# Allegro board LAY-27392_C.brd (continued)
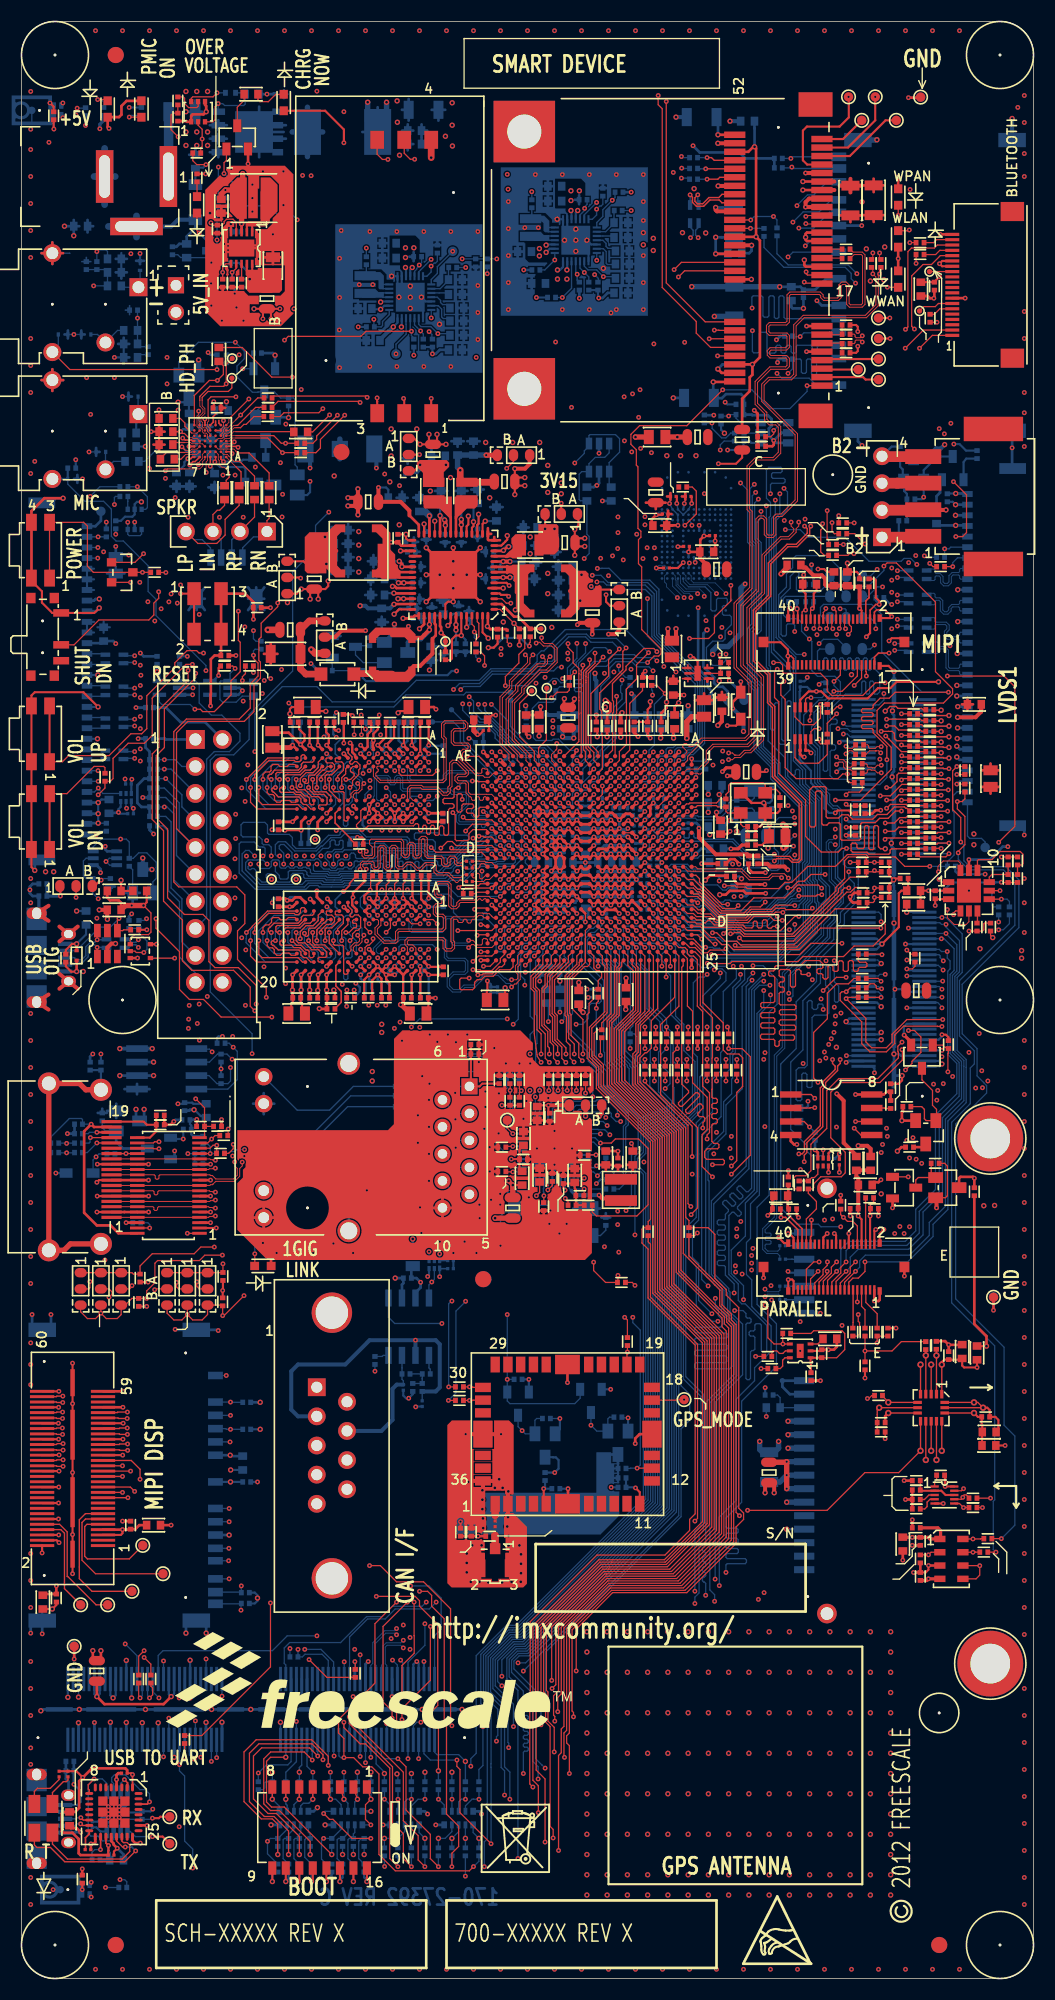
[diagram p0: board, top side]
## Placement (name value [footprint] x y rotation side) (continued)
R589  10.0K  [0402_CC]  32.77 125.78 270 bottom
R590  0  [R603-X2]  78.36 125.09 180 bottom
R591  10.0K  [0402_CC]  39.73 124.99 270 bottom
R592  10.0K  [0402_CC]  28.88 123.06 0 bottom
R593  4.7K  [0402_CC]  59.31 122.05 90 bottom
R594  0  [0402_CC]  57.28 122.05 90 bottom
R595  10.0K  [0402_CC]  14.89 124.03 270 bottom
R596  0  [0402_CC]  49.91 121.16 180 bottom
R597  0  [0402_CC]  46.02 120.65 90 bottom
R598  0  [R603-X2]  65.71 120.4 0 bottom
R599  240  [0402_CC]  30.3 118.57 90 bottom
R600  0  [0402_CC]  47.5 118.24 270 bottom
R601  100  [0402_CC]  12.07 116.66 0 bottom
R602  10.0K  [0402_CC]  43.09 116.28 180 bottom
R603  10.0K  [0402_CC]  12.45 114.68 0 bottom
R604  200  [0402_CC]  64.39 114.17 270 bottom
R605  6.04K  [0402_CC]  63.12 113.79 0 bottom
R606  10.0K  [0402_CC]  12.45 113.79 0 bottom
R607  10.0K  [0402_CC]  12.45 112.9 0 bottom
R608  10.0K  [0402_CC]  12.45 112.01 180 bottom
R609  10.0K  [0402_CC]  12.45 111.12 180 bottom
R610  10M  [0402_CC]  67.31 110.49 270 bottom
R611  10.0K  [0402_CC]  12.45 110.24 0 bottom
R612  10.0K  [0402_CC]  12.45 109.35 0 bottom
R613  10.0K  [0402_CC]  12.45 108.46 180 bottom
R614  10.0K  [0402_CC]  8 108.33 270 bottom
R615  10.0K  [0402_CC]  10.16 105.03 90 bottom
R616  10.0K  [0402_CC]  87.5 104.65 180 bottom
R617  10.0K  [0402_CC]  8.38 103.12 90 bottom
R618  4.7K  [0402_CC]  6.73 103.12 270 bottom
R619  191.0  [0603_CC]  67.72 102.62 0 bottom
R620  100  [0402_CC]  2.03 101.85 0 bottom
R621  0  [0402_CC]  92.96 100.46 90 bottom
R622  0  [0402_CC]  91.95 100.46 90 bottom
R623  68K  [0402_CC]  50.67 94.87 90 bottom
R624  68K  [0402_CC]  48.89 94.87 270 bottom
R625  0  [0402_CC]  53.97 92.71 90 bottom
R626  22  [0603_CC]  49.4 92.43 90 bottom
R627  0  [0402_CC]  57.28 88.52 90 bottom
R628  4.7K  [0402_CC]  18.8 88.01 180 bottom
R629  100K  [0402_CC]  18.8 86.61 90 bottom
R630  100  [0402_CC]  7.49 85.85 270 bottom
R631  10.0K  [0402_CC]  48.79 84.84 90 bottom
R632  10.0K  [0402_CC]  31.75 123.06 180 bottom
R634  0  [0402_CC]  53.09 84.58 270 bottom
R635  10.0K  [0402_CC]  31.26 106.74 180 bottom
R636  10.0K  [0402_CC]  51.43 84.58 270 bottom
R638  10.0K  [0402_CC]  50.55 84.58 270 bottom
R639  100K  [0402_CC]  18.8 84.58 270 bottom
R640  270  [0402_CC]  35.56 83.95 180 bottom
R641  270  [0402_CC]  35.56 83.06 180 bottom
R642  270  [0402_CC]  35.56 82.04 180 bottom
R643  200K  [0603_CC]  73.15 81.28 270 bottom
R644  10.0K  [0402_CC]  7.62 81.08 270 bottom
R645  4.7K  [0402_CC]  15.62 79.91 180 bottom
R646  10.0K  [0402_CC]  74.68 79.25 270 bottom
R647  47K  [0402_CC]  17.09 78.89 270 bottom
R648  0  [0402_CC]  5.38 78.61 0 bottom
R649  4.7K  [0402_CC]  3.15 78.61 180 bottom
R650  0  [0402_CC]  5.38 77.72 0 bottom
R651  4.7K  [0402_CC]  3.15 77.72 180 bottom
R652  0  [0402_CC]  18.75 77.65 180 bottom
R653  0  [0402_CC]  16.71 77.62 0 bottom
R654  4.7K  [0402_CC]  54.99 77.6 90 bottom
R655  27K  [0402_CC]  8.43 77.6 180 bottom
R656  0  [0402_CC]  16.71 76.66 0 bottom
R657  1.5K  [0402_CC]  55.37 75.18 0 bottom
R658  100  [0402_CC]  31.5 75.06 0 bottom
R659  0  [0402_CC]  55.37 74.3 180 bottom
R660  0.02  [0805_CC]  36.83 67.82 270 bottom
R661  0  [0402_CC]  33.27 58.17 90 bottom
R662  0  [0402_CC]  38.1 56.9 0 bottom
R663  30  [0402_CC]  36.2 56.9 180 bottom
R664  10.0K  [0402_CC]  46.74 56.39 0 bottom
R665  30  [0402_CC]  37.72 55.63 270 bottom
R666  10.0K  [0402_CC]  70.36 54.91 0 bottom
R667  10.0K  [0402_CC]  21.21 54.23 0 bottom
R668  10.0K  [0402_CC]  56.13 52.83 180 bottom
R669  10.0K  [0402_CC]  49.4 52.7 180 bottom
R670  10.0K  [0402_CC]  21.21 51.69 180 bottom
R671  10.0K  [0402_CC]  56.52 48.01 0 bottom
R672  0  [0402_CC]  49.28 47.24 270 bottom
R673  0  [0402_CC]  56.52 47.12 0 bottom
R674  10.0K  [0402_CC]  21.08 36.32 180 bottom
R675  10.0K  [0402_CC]  21.08 35.31 180 bottom
R676  0  [0402_CC]  25.65 30.28 180 bottom
R677  100  [0402_CC]  4.57 19.56 0 bottom
R678  4.7K  [0402_CC]  43.05 18.16 90 bottom
R679  4.7K  [0402_CC]  41.78 18.16 90 bottom
R680  4.7K  [0402_CC]  40.51 18.16 90 bottom
R681  4.7K  [0402_CC]  39.24 18.16 90 bottom
R682  4.7K  [0402_CC]  37.97 18.16 90 bottom
R683  4.7K  [0402_CC]  36.7 18.16 90 bottom
R684  4.7K  [0402_CC]  35.43 18.16 90 bottom
R685  4.7K  [0402_CC]  34.16 18.16 90 bottom
R686  4.7K  [0402_CC]  32.89 18.16 90 bottom
R687  4.7K  [0402_CC]  31.62 18.16 90 bottom
R688  4.7K  [0402_CC]  30.35 18.16 90 bottom
R689  4.7K  [0402_CC]  29.08 18.16 90 bottom
R690  4.7K  [0402_CC]  27.43 18.16 90 bottom
R691  4.7K  [0402_CC]  26.16 18.16 90 bottom
R692  4.7K  [0402_CC]  24.89 18.16 90 bottom
R693  4.7K  [0402_CC]  23.62 18.16 90 bottom
R694  10.0K  [0402_CC]  11.36 15.37 270 bottom
R695  4.7K  [0402_CC]  32.26 12.83 270 bottom
R696  4.7K  [0402_CC]  31.24 12.83 270 bottom
R697  4.7K  [0402_CC]  30.23 12.83 270 bottom
R698  4.7K  [0402_CC]  29.21 12.83 270 bottom
R699  4.7K  [0402_CC]  27.18 12.83 270 bottom
R700  4.7K  [0402_CC]  26.16 12.83 270 bottom
R701  4.7K  [0402_CC]  25.15 12.83 270 bottom
R702  4.7K  [0402_CC]  24.13 12.83 270 bottom
R703  4.7K  [0402_CC]  43.05 11.94 270 bottom
R704  4.7K  [0402_CC]  41.78 11.94 270 bottom
R705  4.7K  [0402_CC]  40.51 11.94 270 bottom
R706  4.7K  [0402_CC]  39.24 11.94 270 bottom
R707  4.7K  [0402_CC]  37.97 11.94 270 bottom
R708  4.7K  [0402_CC]  36.7 11.94 270 bottom
R709  4.7K  [0402_CC]  35.43 11.94 270 bottom
R710  4.7K  [0402_CC]  34.16 11.94 270 bottom
R711  4.7K  [0402_CC]  7.04 11.18 180 bottom
R712  0  [0402_CC]  32.26 10.41 90 bottom
R713  0  [0402_CC]  31.24 10.41 90 bottom
R714  0  [0402_CC]  30.23 10.41 90 bottom
R715  0  [0402_CC]  29.21 10.41 90 bottom
R716  0  [0402_CC]  27.3 10.41 90 bottom
R717  0  [0402_CC]  26.16 10.41 90 bottom
R718  0  [0402_CC]  25.15 10.41 90 bottom
R719  0  [0402_CC]  24.13 10.41 90 bottom
R722  0  [0402_CC]  22.3 18.16 90 bottom
R723  0  [0402_CC]  11.07 99.19 270 bottom
R724  0  [0402_CC]  10.13 99.19 90 bottom
R725  10.0K  [0402_CC]  22.23 152.93 0 bottom
R726  0  [0402_CC]  74.14 131.17 180 bottom
R727  0  [0402_CC]  66.73 103.7 0 bottom
R728  0  [0402_CC]  43.84 161.42 90 bottom
R729  10.0K  [0402_CC]  42.75 161.42 270 bottom
RN500  10K  [RCA_8_10]  41.15 15.11 270 bottom
RN501  10K  [RCA_8_10]  36.07 15.11 270 bottom
RN502  10K  [RCA_8_10]  30.73 15.11 270 bottom
RN503  10K  [RCA_8_10]  25.65 15.11 270 bottom
RT500  10K  [0603_CC]  56.55 159.97 0 bottom
RT501  10K  [0603_CC]  40.98 154.61 0 bottom
SH1  SOLDER SHORT  [SH0805_40]  23.11 158.06 270 top
SH2  SOLDER SHORT  [SH0805_40]  67.82 144.78 90 top
SH3  SOLDER SHORT  [SH0805_40]  63.63 145.03 180 top
SH4  0  [SH0603-X2_PIN1TO2]  36.45 144.15 270 top
SH5  SOLDER SHORT  [SH0805_40]  38.73 143.38 90 top
SH6  0  [SH0603-X2_PIN1TO2]  47.07 143.33 180 top
SH7  SOLDER SHORT  [SH0805_40]  45.47 140.84 180 top
SH8  SOLDER SHORT  [SH0805_40]  59.69 139.83 270 top
SH9  SOLDER SHORT  [SH0805_40]  32.64 138.94 0 top
SH10  0  [SH0603-X2_PIN1TO2]  51.56 137.8 180 top
SH11  SOLDER SHORT  [SH0805_40]  65.41 132.59 180 top
SH12  0  [SH0603-X2_PIN1TO2]  25.02 131.06 90 top
SH13  0  [SH0603-X2_PIN1TO2]  56.26 128.4 90 top
SH14  0  [SH0603-X2_PIN1TO2]  28.55 125.45 90 top
SH15  SOLDER SHORT  [SH0805_40]  25.3 126.9 0 top
SH16  SOLDER SHORT  [SH0805_40]  51.43 118.64 90 top
SH17  SOLDER SHORT  [SH0805_40]  68.2 113.54 180 top
SH18  0  [SH0201_CC]  42.16 105.13 180 top
SH19  0  [SH0201_CC]  42.16 104.5 180 top
SH20  0  [SH0201_CC]  42.16 103.86 180 top
SH21  0  [SH0201_CC]  42.16 103.23 180 top
SH22  SOLDER SHORT  [SH0805_40]  84.2 92.96 180 top
SH23  0  [SH0603-X2_PIN1TO2]  52.32 82.17 0 top
SH24  SOLDER SHORT  [SH0805_40]  46.23 72.52 90 top
SH25  SOLDER SHORT  [SH0805_40]  70.36 47.62 90 top
SH26  SOLDER SHORT  [SH0805_40]  7.11 28.96 270 top
SH500  0  [SH0402_CC]  6.05 175.64 270 bottom
SH501  0  [SH0402_CC]  75.69 121.54 270 bottom
SH502  0  [SH0402_CC]  12.07 119.58 0 bottom
SH503  SOLDER SHORT  [SH0805_40]  69.09 107.51 0 bottom
SH504  0  [SH0402_CC]  5.38 79.5 0 bottom
SH505  0  [SH0603_CC]  70.74 53.72 0 bottom
SH506  0  [SH0402_CC]  9.55 8.59 0 bottom
SW1  EVQPUA02K  [SW_SPST_PB_4P8X3P5_SM]  1.81 134.39 270 top
SW2  PB switch  [SW4_4MM]  17.53 128.4 0 top
SW3  SW SPDT  [SW_SPDT_RA]  2.01 126.24 270 top
SW4  EVQPUA02K  [SW_SPST_PB_4P8X3P5_SM]  1.81 117.11 270 top
SW5  EVQPUA02K  [SW_SPST_PB_4P8X3P5_SM]  1.81 108.86 270 top
SW6  SW DIP-8  [SW_DIP16_8POS_SM]  28.07 14.22 180 top
T1  -  [TPAD_015]  21.96 112.83 0 top
T2  -  [TPAD_015]  22.74 112.83 0 top
T3  -  [TPAD_015]  23.52 112.83 0 top
T4  -  [TPAD_015]  24.3 112.83 0 top
T5  -  [TPAD_015]  25.08 112.83 0 top
T6  -  [TPAD_015]  25.86 112.83 0 top
T7  -  [TPAD_015]  27.42 112.83 0 top
T8  -  [TPAD_015]  28.2 112.83 0 top
T9  -  [TPAD_015]  28.98 112.83 0 top
T10  -  [TPAD_015]  29.76 112.83 0 top
T11  -  [TPAD_015]  30.54 112.83 0 top
T12  -  [TPAD_015]  26.64 112.75 0 top
T13  -  [TPAD_015]  26.25 112.24 0 top
T14  -  [TPAD_015]  21.57 112.06 0 top
T15  -  [TPAD_015]  22.35 112.06 0 top
T16  -  [TPAD_015]  23.13 112.06 0 top
T17  -  [TPAD_015]  23.91 112.06 0 top
T18  -  [TPAD_015]  24.69 112.06 0 top
T19  -  [TPAD_015]  25.47 112.06 0 top
T20  -  [TPAD_015]  27.03 112.06 0 top
T21  -  [TPAD_015]  27.81 112.06 0 top
T22  -  [TPAD_015]  28.59 112.06 0 top
T23  -  [TPAD_015]  29.37 112.06 0 top
T24  -  [TPAD_015]  30.15 112.06 0 top
T25  -  [TPAD_015]  30.93 112.06 0 top
T26  -  [TPAD_015]  21.96 105.63 0 top
T27  -  [TPAD_015]  22.74 105.63 0 top
T28  -  [TPAD_015]  23.52 105.63 0 top
T29  -  [TPAD_015]  24.3 105.63 0 top
T30  -  [TPAD_015]  25.08 105.63 0 top
T31  -  [TPAD_015]  25.86 105.63 0 top
T32  -  [TPAD_015]  26.64 105.63 0 top
T33  -  [TPAD_015]  27.42 105.63 0 top
T34  -  [TPAD_015]  28.2 105.63 0 top
T35  -  [TPAD_015]  28.98 105.63 0 top
T36  -  [TPAD_015]  29.76 105.63 0 top
T37  -  [TPAD_015]  30.54 105.63 0 top
T38  -  [TPAD_015]  21.57 104.86 0 top
T39  -  [TPAD_015]  22.35 104.86 0 top
T40  -  [TPAD_015]  23.13 104.86 0 top
T41  -  [TPAD_015]  23.91 104.86 0 top
T42  -  [TPAD_015]  24.69 104.86 0 top
T43  -  [TPAD_015]  25.47 104.86 0 top
T44  -  [TPAD_015]  26.25 104.86 0 top
T45  -  [TPAD_015]  27.03 104.86 0 top
T46  -  [TPAD_015]  27.81 104.86 0 top
T47  -  [TPAD_015]  28.59 104.86 0 top
T48  -  [TPAD_015]  29.37 104.86 0 top
T49  -  [TPAD_015]  30.15 104.86 0 top
T50  -  [TPAD_015]  30.93 104.86 0 top
T51  -  [TPAD_015]  21.96 98.42 0 top
T52  -  [TPAD_015]  22.74 98.42 0 top
T53  -  [TPAD_015]  23.52 98.42 0 top
T54  -  [TPAD_015]  24.3 98.42 0 top
T55  -  [TPAD_015]  25.08 98.42 0 top
T56  -  [TPAD_015]  25.86 98.42 0 top
T57  -  [TPAD_015]  27.42 98.42 0 top
T58  -  [TPAD_015]  28.2 98.42 0 top
T59  -  [TPAD_015]  28.98 98.42 0 top
T60  -  [TPAD_015]  29.76 98.42 0 top
T61  -  [TPAD_015]  30.54 98.42 0 top
T62  -  [TPAD_015]  26.64 98.35 0 top
T63  -  [TPAD_015]  26.25 97.84 0 top
T64  -  [TPAD_015]  21.57 97.66 0 top
T65  -  [TPAD_015]  22.35 97.66 0 top
T66  -  [TPAD_015]  23.13 97.66 0 top
T67  -  [TPAD_015]  23.91 97.66 0 top
T68  -  [TPAD_015]  24.69 97.66 0 top
T69  -  [TPAD_015]  25.47 97.66 0 top
T70  -  [TPAD_015]  27.03 97.66 0 top
T71  -  [TPAD_015]  27.81 97.66 0 top
T72  -  [TPAD_015]  28.59 97.66 0 top
T73  -  [TPAD_015]  29.37 97.66 0 top
T74  -  [TPAD_015]  30.15 97.66 0 top
T75  -  [TPAD_015]  30.93 97.66 0 top
TP1  TEST POINT  [C035S]  84.61 177.01 0 top
TP2  TEST POINT  [C035S]  77.83 177.04 270 top
TP3  TEST POINT  [C035S]  79.07 174.83 270 top
TP4  TEST POINT  [C035S]  80.34 177.04 270 top
TP5  TEST POINT  [C035S]  82.32 174.83 270 top
TP6  TEST POINT  [C035S]  80.64 156.24 270 top
TP7  TEST POINT  [C035S]  80.64 154.31 270 top
TP8  TEST POINT  [C035S]  80.64 152.37 270 top
TP9  TEST POINT  [C035S]  78.74 151.38 270 top
TP10  -  [TPAD_020]  19.84 152.43 0 top
TP11  -  [TPAD_020]  19.81 150.57 0 top
TP12  TEST POINT  [C035S]  80.64 150.44 270 top
TP13  -  [TPAD_020]  48.89 127 0 top
TP14  -  [TPAD_020]  39.9 125.81 0 top
TP15  -  [TPAD_020]  27.65 107.19 0 top
TP16  -  [TPAD_020]  23.55 103.43 0 top
TP17  -  [TPAD_020]  25.86 103.43 0 top
TP18  TEST POINT  [C035S]  45.72 80.77 0 top
TP19  TEST POINT  [C035S]  91.47 64.11 0 top
TP20  TEST POINT  [C035S]  62.36 54.48 0 top
TP21  TEST POINT  [C035S]  11.43 40.77 180 top
TP22  TEST POINT  [C035S]  13.34 38.1 180 top
TP23  TEST POINT  [C035S]  10.41 36.45 180 top
TP24  TEST POINT  [C035S]  5.59 35.18 180 top
TP25  TEST POINT  [C035S]  8.13 35.18 180 top
TP26  TEST POINT  [C035S]  4.98 31.27 0 top
TP27  TEST POINT  [C035S]  13.97 15.24 0 top
TP28  TEST POINT  [C035S]  13.97 12.7 0 top
TP29  -  [TPAD_020]  84.51 156.9 0 top
TP30  -  [TPAD_020]  85.45 160.6 0 top
TP31  -  [TPAD_020]  49.44 121.41 0 top
TP32  -  [TPAD_020]  48.02 121.16 0 top
TP500  TEST POINT  [C035S]  84.61 177.01 180 bottom
TP501  TEST POINT  [C035S]  40.59 162.51 270 bottom
TP502  TEST POINT  [C035S]  35.26 152.86 270 bottom
TP503  TEST POINT  [C035S]  7.49 138.05 180 bottom
TP504  TEST POINT  [C035S]  90.68 106.43 180 bottom
TP505  -  [TPAD_020]  35.56 80.77 180 bottom
TP506  TEST POINT  [C035S]  91.47 64.16 180 bottom
TP507  -  [TPAD_020]  71.6 56.26 180 bottom
TP508  TEST POINT  [C035S]  4.93 31.32 180 bottom
TP509  -  [TPAD_020]  40.48 119.38 180 bottom
TP510  -  [TPAD_020]  38.69 118.24 180 bottom
TVS1  ESD9B3.3ST5G  [SOD-923_NP]  5.21 96.27 90 top
TVS500  ESD9B3.3ST5G  [SOD-923_NP]  11.17 161.17 270 bottom
TVS501  ESD9B3.3ST5G  [SOD-923_NP]  6.1 154.69 0 bottom
TVS502  ESD9B3.3ST5G  [SOD-923_NP]  3.94 154.69 180 bottom
TVS503  ESD9B3.3ST5G  [SOD-923_NP]  10.54 148.84 0 bottom
TVS504  ESD9B3.3ST5G  [SOD-923_NP]  7.49 143.64 0 bottom
TVS505  ESD9B3.3ST5G  [SOD-923_NP]  4.83 141.1 180 bottom
U1  PCIMX6Q5EYM10AC  [BGA624_0P8_21X21]  53.47 105.41 270 top
U2  MT41K128M16JT  [BGA96_0P8_8P15X14P15]  31.93 98.04 270 top
U3  MT41K128M16JT  [BGA96_0P8_8P15X14P15]  31.93 112.44 270 top
U4  MT41K128M16JT  [BGA96_0P8_8P15X14P15]  31.93 98.04 90 bottom
U5  MT41K128M16JT  [BGA96_0P8_8P15X14P15]  31.93 112.44 90 bottom
U6  MAX8815AETB+  [TDFN10_0P5_3P1X3P1]  20.73 162.81 270 top
U7  WM8962  [BGA49_0P5_3P62X4]  17.78 144.65 180 top
U8  MMPF0100NPEP  [QFN56_0P5_8X8_EP4P5]  40.65 132.07 180 top
U9  LTC3025  [DFN6_2X2MM]  63.63 122.81 0 top
U10  TXS0102  [PSOP8]  73.53 118.11 90 top
U11  MAX11801  [QFN12]  89.15 102.36 0 top
U12  SRV05-4  [SOT23_S6]  8.1 97.38 90 top
U13  M74VHC1GT126DF1G  [SOT353]  11.2 96.67 270 top
U14  M25P32-VMW6TG  [SO8WST]  76.2 81.28 0 top
U15  NLSV1T34  [ULLGA6_1P45X1_0P5MM]  75.44 76.83 270 top
U16  CM2020  [TSSOP38_0P5_4P5X9P8]  13.84 74.63 180 top
U17  ISL29023  [DFN_6_0P65_2P1X2]  73.28 59.06 180 top
U18  MMA8451Q  [QFN5X3_0P5_3X3]  85.6 53.72 270 top
U19  AH-1613  [MODULE_AH-1613]  51.38 51.23 0 top
U20  MAG3110  [DFN_10_0P4_2X2]  86.85 45.51 0 top
U21  MPL3115A2  [LGA8_1P25_3X5_0P5]  87.5 39.5 0 top
U22  FT232RQ  [QFN32_MC1320X]  8.71 15.68 270 top
U501  ADMP421B  [LGA5_CAV_4P1X3P1MM]  2.72 175.77 180 bottom
U502  MAX8903C  [TQFN28_0P4_4X4]  52.17 163.55 270 bottom
U503  MAX8903C  [TQFN28_0P4_4X4]  36.6 158.19 270 bottom
U507  NC7SP125P5X  [SC70-5_A]  18.69 121.44 180 bottom
U508  FDC6331L  [SSOT6_1P7X3]  70.85 145.44 180 bottom
U509  FDC6321C_NL  [SOT23-6]  54.36 143.1 180 bottom
U510  NC7WZ17  [SC70_6LEAD]  10.67 137.29 90 bottom
U512  SDIN5C2-8G  [BGA169_0P5_12X16]  63.53 134.98 0 bottom
U513  NC7SP125P5X  [SC70-5_A]  13.94 121.44 180 bottom
U514  NLSV1T34  [ULLGA6_1P45X1_0P5MM]  9.86 111.12 90 bottom
U515  MIC2026-1YM  [SO8]  13.68 85.6 180 bottom
U516  AR8031  [QFN48_0P4_6X6MM_EPAD]  50.17 78.1 90 bottom
U517  NLSV1T34  [ULLGA6_1P45X1_0P5MM]  38.86 67.18 90 bottom
U518  TJA1040T  [SO8_1P27_4X5]  36.45 61.34 270 bottom
U519  SN74LVC2G126  [SSOP8]  9.02 15.7 270 bottom
U521  ADMP421B  [LGA5_CAV_4P1X3P1MM]  5.38 8.38 180 bottom
Y1  24MHz  [XTAL4_SX_3225]  68.83 110.62 0 top
Y500  25MHZ  [XTAL_4_7P2X5P2]  50.04 71.19 180 bottom

## Library data of the parts
BH1 BH2 = SPACER
BT500 = BATTERY_SKT_3V
C1 C9 C13 C19-C21 C23 C25 C27 C29 C60 C63 C66 C83 C85-C87 C89 C90 C92 C93 C95 C98 C99 C102-C106 C108-C110 C112-C114 C116 C119 C121-C123 C128 C129 C512 C513 C519 C523 C524 C530 C534 C538 C540 C558 C585 C587 C588 C597 C603 C621 C697 C738 C742 C744 C745 C747 C749 C755 C763-C766 = CAP_NP: signal model: DEFAULT_CAPACITOR_100000pF_2_1
C2 C3 C502 C522 C537 = CAP_NP: signal model: DEFAULT_CAPACITOR_1e+08pF_2_1
C4-C7 C11 C12 C16 C535 = CAP_NP: signal model: DEFAULT_CAPACITOR_100000pF_2_1; room: MINIPCIE
C8 C38 C40 C49 C54 C68 C69 C77 C544-C546 C555 C559 C560 C566 C567 C571 C574 C577 C581 C583 C591 C604 C605 C611 C612 C623 C649 C654 C669 C679 C680 C682 C683 C694 C716 C729 C730 = CAP_NP: signal model: DEFAULT_CAPACITOR_2.2e+07pF_2_1
C10 C130 C505 C507 C508 C520 C521 C525-C527 C589 C601 C627 C761 = CAP_NP: signal model: DEFAULT_CAPACITOR_1e+07pF_2_1
C14 C62 C506 C510 C511 C514 C515 C549 C600 C726 = CAP_NP: signal model: DEFAULT_CAPACITOR_1e+06pF_2_1
C15 C17 C22 C26 C39 C107 C111 C120 C528 C529 C539 C541 C542 C551 C552 C568 C572 C573 C578 C580 C743 = CAP_NP: signal model: DEFAULT_CAPACITOR_4.7e+06pF_2_1
C18 C504 C543 C547 C548 C557 C631 = CAP_NP: signal model: DEFAULT_CAPACITOR_2.2e+06pF_2_1
C24 C561-C565 C569 C575 C576 C579 C582 C586 C590 C593 C594 C596 = CAP_NP: tolerance: 10%; signal model: DEFAULT_CAPACITOR_100000pF_2_1
C28 C30 C61 C100 C101 C550 C553 C554 C556 C584 C595 = CAP_NP: tolerance: 10%; signal model: DEFAULT_CAPACITOR_4.7e+06pF_2_1
C31 C762 C769 = MOT_CAP: signal model: DEFAULT_CAPACITOR_4.7e+07pF_2_1
C32 C33 = CAP_NP: signal model: DEFAULT_CAPACITOR_1e+07pF_2_1; room: SNVS_BK_PS
C34 C598 = CAP_NP: signal model: DEFAULT_CAPACITOR_4.7e+06pF_2_1; room: ATLAS-AP
C35 C36 C78 C79 = CAP_NP: room: DDR2; signal model: DEFAULT_CAPACITOR_1e+07pF_2_1
C37 C41-C46 C52 C53 C57-C59 C64 C67 C70 C71 C73-C76 C125 C127 C613-C617 C620 C647 C657 C666 C718 C731-C733 C735-C737 = CAP_NP: signal model: DEFAULT_CAPACITOR_220000pF_2_1
C47 C48 C50 C56 C72 C94 C126 C602 C618 C619 C622 C625 C626 C628-C630 C632-C638 C640-C646 C648 C650-C653 C656 C658-C665 C667 C668 C670-C672 C674-C678 C684-C693 C695 C696 C698 C701-C715 C717 C719-C725 C727 C728 C734 C746 C753 C754 C767 = CAP_NP: signal model: DEFAULT_CAPACITOR_220000pF_2_1; room: CPU
C51 C55 C624 C639 = CAP_NP: signal model: DEFAULT_CAPACITOR_18pF_2_1; room: ATLAS-AP
C65 C117 C124 = CAP_NP: signal model: DEFAULT_CAPACITOR_4.7e+06pF_2_1; room: DISP1
C80-C82 = CAP_NP: tolerance: 10%; signal model: DEFAULT_CAPACITOR_100000pF_2_1; room: RGMII_PHY
C84 C88 C96 = CAP_NP: signal model: DEFAULT_CAPACITOR_1e+06pF_2_1; room: RGMII_PHY
C91 C97 = CAP_NP: signal model: DEFAULT_CAPACITOR_1e+07pF_2_1; room: RGMII_PHY
C115 C759 C760 = CAP_NP: signal model: DEFAULT_CAPACITOR_56pF_2_1
C118 = CAP_NP: signal model: DEFAULT_CAPACITOR_100pF_2_1
C501 = CAP_NP: signal model: DEFAULT_CAPACITOR_1e+08pF_2_1; room: DDR_PS
C503 C516 = CAP_NP: signal model: DEFAULT_CAPACITOR_4.7e+06pF_2_1; room: MINIPCIE
C517 C518 = CAP_NP: signal model: DEFAULT_CAPACITOR_150000pF_2_1
C570 C592 C599 = CAP_NP: tolerance: 10%; signal model: DEFAULT_CAPACITOR_1e+06pF_2_1
C606-C610 C673 C681 = CAP_NP: signal model: DEFAULT_CAPACITOR_4.7e+06pF_2_1; room: IMX6X_SOC
C655 = CAP_NP: signal model: DEFAULT_CAPACITOR_10000pF_2_1; room: CPU
C739-C741 = CAP_NP: signal model: DEFAULT_CAPACITOR_470pF_2_1; room: RGMII_PHY
C748 C750 = CAP_NP: signal model: DEFAULT_CAPACITOR_22pF_2_1; room: RGMII_PHY
C751 C752 C756 C757 = CAP_NP: signal model: DEFAULT_CAPACITOR_10000pF_2_1
C758 = CAP_NP: signal model: DEFAULT_CAPACITOR_1000pF_2_1
C768 = CAP_NP: tolerance: 10%; signal model: DEFAULT_CAPACITOR_220000pF_2_1; room: CPU
CON1 = SF7W006S1A
CON2-CON4 = CONN_HDR_4X1
CON500 = SM04B
D1-D3 D5-D8 D11 = LED
D4 = DUALDIODE_CC_SOT23
D9 D10 = DIODE_SCHTKY
D12 = LED_DUAL_SEP_RG
D500 D502 D504 = DIODE
D501 = DIODE_TVS
D503 = ZDIODE
F500 = FUSE
J1 = MINI_PCI_LATCH_52P
J2 J4 = 3.5MM_AUDIO_JACK
J5 J9 = FX12B-40P
J6 = HDR_2X10
J7 = V890-1AX1-A1_14P
J8 = CONN_HDMI_19P_TYPE_A
J10 = CONN_DB9F_MTGTABS
J11 = QSH030
J12 = CONN_UMC_3P_M
J13 = CON20_1
J500 J507 = CONN_SDC013_19P
J501 = CONN_HDR_2X1
J502 J503 = CON30_DF19G-30P-1H
J504 J508 = QSH060: room: Port5_ckt_pg14
J505 J509 = USB_MINI_AB_RECEPTACLE
J506 = CONN_SATA_22P
L1 = IND: signal model: DEFAULT_INDUCTOR_1200nH_2_1
L2 L3 L8 L9 L11 L502 L503 = INDUCTOR: signal model: DEFAULT_INDUCTOR_1000nH_2_1
L4 L7 L504 L505 L507 L509 = IND: signal model: IND_0603_CC_DISCRETE_0.95MM_180_100_OHM@100MHZ
L5 L6 = IND: signal model: DEFAULT_INDUCTOR_22000nH_2_1
L10 L16-L18 L20 L21 L24-L26 L501 L506 L508 L510 = BEAD_0: signal model: BEAD_0_0603_CC_DISCRETE_0.95MM__120OHM; room: RGMII_PHY
L12 = INDUCTOR_FERRITE_A: signal model: DEFAULT_INDUCTOR_2200nH_2_1
L13 = BEAD_0: signal model: BEAD_0_0603_CC_DISCRETE_0.95MM__120OHM
L14 = BEAD: signal model: BEAD_0603_CC_DISCRETE_0.95MM_18_120OHM
L15 L519 = INDUCTOR: signal model: INDUCTOR_0603_CC_DISCRETE_0.95M_470OHM
L19 = INDUCTOR: signal model: DEFAULT_INDUCTOR_4700nH_2_1; room: RGMII_PHY
L22 = BEAD: signal model: BEAD_0402_CC_DISCRETE_0.55MM_18_1000_OHM
L23 = INDUCTOR: signal model: DEFAULT_INDUCTOR_39nH_2_1
L500 L511-L518 L520 = DLW43: signal model: DLW43_IND4_CHOKE_0805_DISCRETE__90OHM
P1 = DC POWER JACK
Q1 = PNP_DUAL
Q2 Q4 Q504 Q507 Q510 Q515-Q517 = 2N7002
Q3 Q5 Q505 Q506 Q508 Q509 Q511 Q513 Q514 Q518 Q519 = MOSFET_P
Q6 = FDMS6681Z
Q501 = NPN
Q503 = MOSFET_N
Q512 = MOSFET_2N_CHAN
QZ500 = XTAL
R1-R3 R20 R31 R33 R78 R98 R105 R108 R130 R149 R150 R156 R161 R163 R164 R184 R195 R196 R304 R502 R503 R512 R515 R516 R518 R519 R526 R532-R534 R536 R537 R539 R541 R542 R544 R549 R554 R557 R559 R565 R568 R574 R575 R577 R579 R589 R591 R592 R595 R603 R606-R609 R611-R617 R632 R644 R646 R664 R666-R671 R674 R675 R694 R725 R729 = RES: signal model: DEFAULT_RESISTOR_10000OHM_2_1
R4 R5 R11-R13 R16 R18 R22 R23 R32 R36 R39 R45-R50 R53 R55 R58 R61 R63 R64 R66 R69 R71 R87 R96 R97 R104 R106 R109 R114 R116 R117 R120-R129 R131-R139 R153-R155 R157 R160 R165 R167 R168 R171 R180-R182 R186-R188 R190-R194 R197-R205 R208-R215 R217-R219 R300 R306 R513 R514 R517 R521 R535 R538 R543 R550 R566 R569 R573 R580 R588 R594 R596 R597 R600 R621 R622 R625 R627 R634 R656 R659 R661 R662 R672 R673 R676 R712-R719 R726-R728 = RES: signal model: DEFAULT_RESISTOR_0.001OHM_2_1
R6 R8 = RES: signal model: DEFAULT_RESISTOR_49.9OHM_2_1
R7 R169 R170 R178 R179 R618 R628 R645 R649 R651 R711 = RES: signal model: DEFAULT_RESISTOR_4700OHM_2_1
R10 R14 R626 = RES: signal model: DEFAULT_RESISTOR_22OHM_2_1
R15 = RES: signal model: DEFAULT_RESISTOR_1000OHM_2_1; room: USB_CON
R17 R21 R25 R27 R68 R85 R582 R660 = RES: signal model: DEFAULT_RESISTOR_0.02OHM_2_1
R19 R111 R112 R520 R524 R629 R639 = RES: signal model: DEFAULT_RESISTOR_100000OHM_2_1
R26 R162 = RES: tolerance: 1%; signal model: DEFAULT_RESISTOR_4700OHM_2_1
R28 R29 = RES: signal model: DEFAULT_RESISTOR_68000OHM_2_1; room: JTAG
R30 R206 R207 R523 = RES: signal model: DEFAULT_RESISTOR_1000OHM_2_1
R34 = RES: signal model: DEFAULT_RESISTOR_51OHM_2_1; room: SNVS_BK_PS
R35 = RES: signal model: DEFAULT_RESISTOR_309000OHM_2_1
R37 = RES: signal model: DEFAULT_RESISTOR_1600OHM_2_1; room: IMX6X_SOC
R38 R605 = RES: signal model: DEFAULT_RESISTOR_6040OHM_2_1
R40-R42 R44 R51 R52 R54 R56 R57 R59 R60 R62 R65 R67 R70 R72-R74 R76 R79-R82 R84 R86 R88 R90 R91 R113 = RES: signal model: DEFAULT_RESISTOR_33OHM_2_1
R43 R118 R604 = RES: signal model: DEFAULT_RESISTOR_200OHM_2_1; room: IMX6X_SOC
R75 R610 = RES: signal model: DEFAULT_RESISTOR_0.01OHM_2_1; room: MARLEY
R77 = RES: signal model: DEFAULT_RESISTOR_10000OHM_2_1; room: DISP1
R83 R110 R115 R553 R560 R722 = RES: signal model: DEFAULT_RESISTOR_0.001OHM_2_1; room: ATLAS-AP
R89 R99 R107 R119 R599 = RES: signal model: DEFAULT_RESISTOR_240OHM_2_1
R92 R93 = RES: signal model: DEFAULT_RESISTOR_100000OHM_2_1; room: DISP1
R94 = RES: signal model: DEFAULT_RESISTOR_10000OHM_2_1; room: MARLEY
R95 R593 = RES: signal model: DEFAULT_RESISTOR_4700OHM_2_1; room: MARLEY
R101 R102 = RES: signal model: DEFAULT_RESISTOR_0.001OHM_2_1; room: DISP1
R103 R583 R584 R586 R590 R598 = RES_0603_X2: Tolerance: X; User Part Number: 470-75407; signal model: RES_0603_X2_R603-X2_DISCRETE_47_0
R140-R148 R631 R636 R638 = RES: signal model: DEFAULT_RESISTOR_10000OHM_2_1; room: RGMII_PHY
R151 = RES: signal model: DEFAULT_RESISTOR_15000OHM_2_1
R152 R647 = RES: signal model: DEFAULT_RESISTOR_47000OHM_2_1
R158 R159 = RES: tolerance: 1%; signal model: DEFAULT_RESISTOR_33OHM_2_1
R166 = RES: signal model: DEFAULT_RESISTOR_2370OHM_2_1; room: RGMII_PHY
R172-R177 = RES_0603_X2: Tolerance: X; User Part Number: 470-75407; signal model: RES_0603_X2_0_R603-X2_DISCRETE__0
R183 R189 = RES: signal model: DEFAULT_RESISTOR_2370OHM_2_1
R185 = RES: signal model: DEFAULT_RESISTOR_499000OHM_2_1
R216 = RES: signal model: DEFAULT_RESISTOR_0.0022OHM_2_1
R301 R302 R648 R650 R652 R653 R723 R724 = RES: signal model: DEFAULT_RESISTOR_0.001OHM_2_1; room: HDMI
R303 = RES: tolerance: 5%; signal model: DEFAULT_RESISTOR_1800OHM_2_1
R305 = RES: tolerance: 1%; signal model: DEFAULT_RESISTOR_470OHM_2_1
R500 = RES: signal model: DEFAULT_RESISTOR_470000OHM_2_1